# Altium PCB F103RCT6.PcbDoc
Units mil, origin at the board's own origin, x right, y up, seen from the top; angles counter-clockwise.
Board outline 3933.01 x 3933.01 mil, 2 copper layers (Top Layer, Bottom Layer); 129 components, 102 nets, 425 pads, 158 vias.
Unrouted connection lines stored in the file: 70.
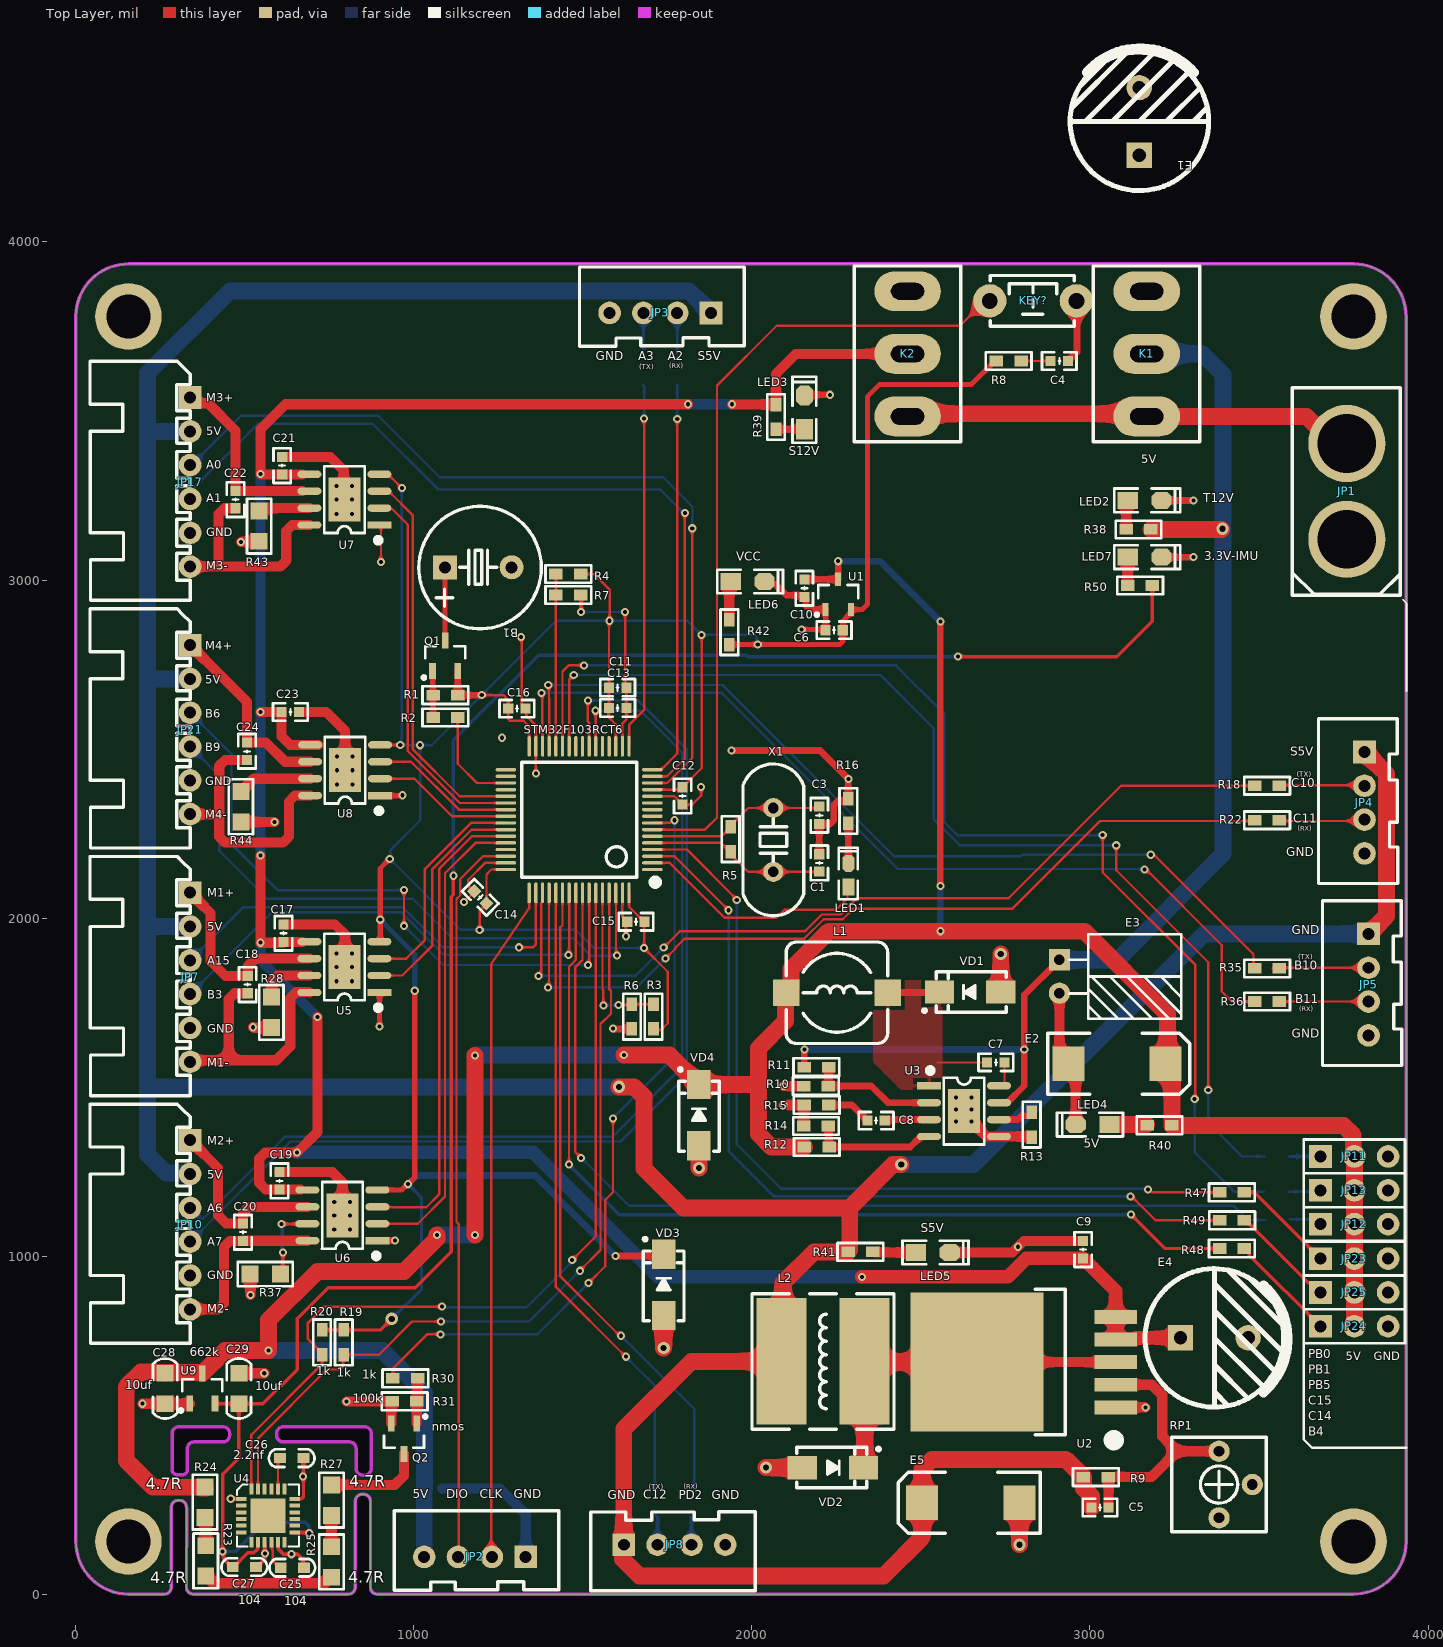
[diagram p0: Top Layer view]
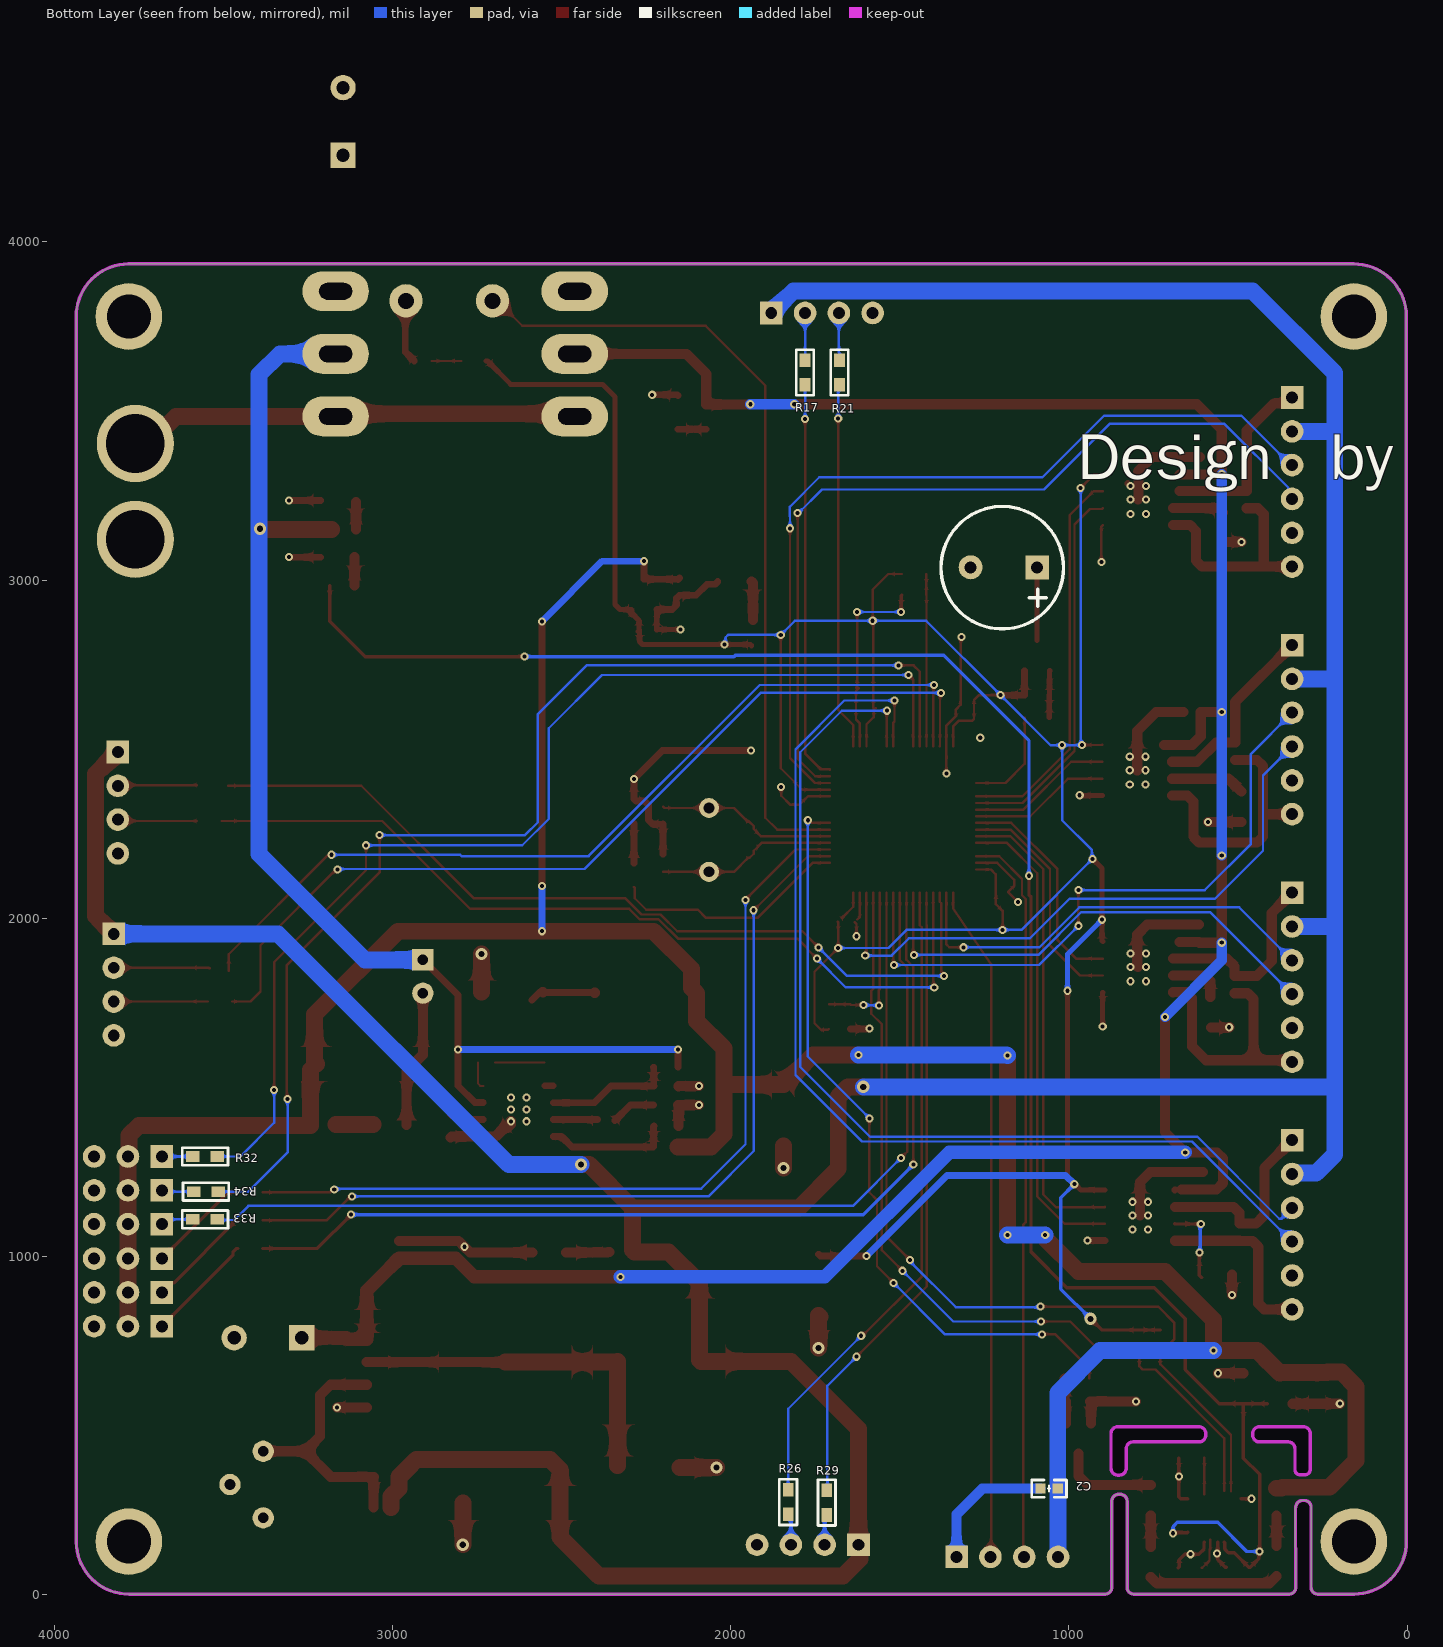
[diagram p1: Bottom Layer view, seen from below]

## Layer stack, top to bottom
Top Solder: solder mask 0.4, Solder Resist, Dk 3.5
Top Layer: signal copper 1.4
Dielectric 1: dielectric 12.6, FR-4, Dk 4.8
Bottom Layer: signal copper 1.4
Bottom Solder: solder mask 0.4, Solder Resist, Dk 3.5

## Board outline
156,2 264.01,2 ccw(c264.01,22) 284.01,22 284,258 284,259 cw(c304,259) 304,279 309,279 cw(c309,259) 329,259 330,258 329,22 ccw(c349,22) 349,2 808,2 ccw(c808,22) 828,22 827.99,277 cw(c847.99,277) 847.99,297 852.99,297 cw(c852.99,277) 872.99,277 872.99,22 ccw(c892.99,22) 892.99,2 3778.98,1.99 ccw(c3779.53,157.48) 3935.01,156 3935.01,3778.97 ccw(c3779.52,3779.53) 3781.01,3935.01 158.03,3935.01 ccw(c157.48,3779.52) 2,3781.01 2,158.03 ccw(c157.49,157.48)
cut-out: 302.07,355 cw(c302.07,370.5) 286.57,370.5 286.5,477 cw(c306.5,477) 306.5,497 436.5,497 cw(c436.5,477) 456.5,477 456.5,472 cw(c436.5,472) 436.5,452 351.5,452 ccw(c351.5,432) 331.5,432 331.5,369.42 cw(c317.08,369.42) 317.08,355
cut-out: 615.49,452 cw(c615.49,472) 595.49,472 595.49,477 cw(c615.49,477) 615.49,497 855.49,497 cw(c855.49,477) 875.49,477 875.49,374 cw(c855.49,374) 855.49,354 850.49,354 cw(c850.49,374) 830.49,374 830.49,432 ccw(c810.49,432) 810.49,452

## Design rules (kind name [scope] priority, off if disabled: settings)
Clearance [All] p1: gap=7 ignorepadtopadclearanceinfootprint=TRUE except(0: Arc-Hole Track-Hole SMDPad-Hole THPad-Hole Via-Hole Fill-Hole Poly-Hole Region-Hole Text-Hole)
ComponentClearance [All] p1: gap=0 collisioncheckmode=3 verticalgap=0 showdistances=FALSE
HoleSize [All] p1: absolutevalues=TRUE maxlimit=200 minlimit=1 maxpercent=80.000 minpercent=20.000
MinimumSolderMaskSliver [All] p1: minsoldermaskwidth=0
PolygonConnect [All] p1: connectstyle=Relief reliefconductorwidth=10 reliefentries=4 polygonreliefangle="90 Angle" airgapwidth=10
RoutingVias [All] p1: holewidth=12 width=24 viastyle="Through Hole" minholewidth=10 minwidth=20 maxholewidth=36 maxwidth=72
SilkToSilkClearance [All] p1: silktosilkclearance=0
SilkToSolderMaskClearance [IsPad] p1: minsilkscreentomaskgap=0 clearancetoexposedcopper=TRUE
SolderMaskExpansion [All] p1: expansion=4 istentingtop=FALSE
UnRoutedNet [All] p1: checkbadconnections=TRUE
Width [All] p1: maxlimit=50 minlimit=6 preferedwidth=10
24 further rules are at their usual default settings.

## Components (designator, comment, footprint, x,y, rotation, side; value= is the part's Value field where it differs from the comment)
B1 "DC3.3V" "BEEP 5x9x5.5" 1192,3038 r270 top
C1 "22" "C 0603_L" 2200,2164 r90 top
C2 "104" "C 0603_L" 1058.41,314 r0 bottom
C3 "22" "C 0603_L" 2200,2304.82 r270 top
C4 "104" "C 0603_L" 2909.59,3648 r0 top
C5 "33nF" "C 0603_L" 3030,258 r180 top
C6 "105" "C 0603_L" 2244,2852 r0 top
C7 "104" "C 0603_L" 2722,1574 r0 top
C8 "150pF" "C 0603_L" 2368,1402 r0 top
C9 "1uF" "C 0603_L" 2980,1020.41 r270 top
C10 "105" "C 0603_L" 2156,2976 r90 top
C11 "104" "C 0603_L" 1604,2682 r0 top
C12 "104" "C 0603_L" 1796,2362 r270 top
C13 "104" "C 0603_L" 1604,2622 r0 top
C14 "104" "C 0603_L" 1197.9,2062.1 r135 top
C15 "104" "C 0603_L" 1658,1990 r180 top
C16 "104" "C 0603_L" 1306,2620 r0 top
C17 "104" "C 0603_L" 616,1956 r270 top
C18 "104" "C 0603_L" 510,1804 r90 top
C19 "104" "C 0603_L" 604,1224 r270 top
C20 "104" "C 0603_L" 496,1072 r90 top
C21 "104" "C 0603_L" 612,3338.41 r270 top
C22 "104" "C 0603_L" 474,3238 r90 top
C23 "104" "C 0603_L" 636,2610 r180 top
C24 "104" "C 0603_L" 508,2494 r90 top
C25 "104" "C 0603" 642,80 r180 top
C26 "2.2nF" "C 0603" 640,404 r180 top
C27 "104" "C 0603" 500,82 r180 top
C28 "10uF" "C 0805" 266,610 r90 top
C29 "10uF" "C 0805" 484,610 r270 top
E1 "3000uf" "CAP 5.0*10*20" 3146,4356 r90 top
E2 "220uF" "CD D(7343)" 3080,1570 r180 top
E3 "10UF/16V" "CAP 2.5*6.3*7-H" 2910,1828 r270 top
E4 "470uF25V" "CAP 5.0*10*20" 3368,760 r0 top
E5 "220uF" "CD D(7343)" 2648,272 r0 top
JP1 "HDR-1X2" XT60 3760,3120.54 r90 top
JP2 "HDR-1X4" XH2.54-LI-4P 1182,112 r180 top
JP3 "HDR-1X4" XH2.54-4P 1880,3790 r180 top
JP4 "HDR-1X4" XH2.54-4P 3812,2492 r270 top
JP5 "HDR-1X4" XH2.54-4P 3824,1954 r270 top
JP7 "HDR-1X6" XH2.54-6P_H 340,2076 r270 top
JP8 "HDR-1X4" XH2.54-4P 1622,148 r0 top
JP10 "HDR-1X6" XH2.54-6P_H 340,1344 r270 top
JP11 "HDR-1X3" HDR-1X3 3682,1296 r0 top
JP12 "HDR-1X3" HDR-1X3 3682,1096 r0 top
JP13 "HDR-1X3" HDR-1X3 3682,1196 r0 top
JP17 "HDR-1X6" XH2.54-6P_H 340,3540 r270 top
JP21 "HDR-1X6" XH2.54-6P_H 340,2808 r270 top
JP23 "HDR-1X3" HDR-1X3 3682,994 r0 top
JP24 "HDR-1X3" HDR-1X3 3682,794 r0 top
JP25 "HDR-1X3" HDR-1X3 3682,894 r0 top
K1 "开关" 开关 3173,3669 r90 top
K2 "开关" 开关 2466,3669 r90 top
KEY? "KEY_M" "TSW DIP-3*6*4.3" 2832,3826 r0 top
L1 "33uH" CDRH74 2252,1780 r0 top
L2 "15uH" CD104 2211.03,690 r180 top
LED1 "红色" "LED 0603B" 2286.26,2127.81 r90 top
LED2 "黄色" "LED 0805R" 3162,3236 r0 top
LED3 "黄色" "LED 0805R" 2156,3496 r90 top
LED4 "黄色" "LED 0805R" 3008,1390 r180 top
LED5 "黄色" "LED 0805R" 2536,1012 r0 top
LED6 "黄色" "LED 0805R" 1988,2996 r0 top
LED7 "黄色" "LED 0805R" 3162,3068 r0 top
Q1 "SS8550" SOT23-3N 1094,2777 r0 top
Q2 "SI2302" SOT23-3N 972,462 r180 top
R1 "4.7K" "R 0603" 1094.5,2660 r0 top
R2 "1K" "R 0603" 1094.5,2594 r180 top
R3 "100K" "R 0603" 1710,1709.5 r270 top
R4 "100K" "R 0603" 1458,3018 r0 top
R5 "1M" "R 0603" 1938,2234 r270 top
R6 "1K" "R 0603" 1646,1709.5 r90 top
R7 "1K" "R 0603" 1458,2956 r180 top
R8 "10K" "R 0603" 2760,3648 r180 top
R9 "10K" "R 0603" 3017.5,348 r180 top
R10 "100K" "R 0603" 2190,1504 r180 top
R11 "100K" "R 0603" 2191.5,1560 r0 top
R12 "43.2K" "R 0603" 2192.5,1324 r180 top
R13 "100K" "R 0603" 2828,1390 r90 top
R14 "8.2K" "R 0603" 2190.5,1386 r0 top
R15 "100K" "R 0603" 2192,1448 r0 top
R16 "2.2K" "R 0603" 2286,2317.32 r270 top
R17 "470R" "R 0603" 1780,3614 r90 bottom
R18 "470R" "R 0603" 3524,2392 r0 top
R19 "1k" "R 0603" 794,746.5 r270 top
R20 "1K" "R 0603" 730,746.5 r270 top
R21 "470R" "R 0603" 1678,3614 r90 bottom
R22 "470R" "R 0603" 3524,2290 r0 top
R23 "4.7R" "R 0805" 386,100 r90 top
R24 "4.7R" "R 0805" 384,274 r90 top
R25 "4.7R" "R 0805" 758,97 r90 top
R26 "470R" "R 0603" 1716,272.5 r270 bottom
R27 "4.7R" "R 0805" 758,280 r90 top
R28 "0.15R" "R 0805" 580,1722 r90 top
R29 "470R" "R 0603" 1830,274 r270 bottom
R30 "1K" "R 0603" 976,640 r0 top
R31 "100K" "R 0603" 974,572 r0 top
R32 "470R" "R 0603" 3554,1296 r0 bottom
R33 "470R" "R 0603" 3554,1110 r0 bottom
R34 "470R" "R 0603" 3551.5,1192 r0 bottom
R35 "470R" "R 0603" 3524,1852 r0 top
R36 "470R" "R 0603" 3524,1754 r0 top
R37 "0.15R" "R 0805" 562,948 r0 top
R38 "10K" "R 0603" 3144,3150 r0 top
R39 "10K" "R 0603" 2072,3482.5 r90 top
R40 "4.7K" "R 0603" 3206,1388 r0 top
R41 "4.7K" "R 0603" 2321.5,1014 r180 top
R42 "4.7K" "R 0603" 1934,2846 r270 top
R43 "0.15R" "R 0805" 544,3160 r90 top
R44 "0.15R" "R 0805" 490,2330 r90 top
R47 "470R" "R 0603" 3420,1190 r0 top
R48 "470R" "R 0603" 3420,1024 r0 top
R49 "470R" "R 0603" 3420.5,1107 r0 top
R50 "4.7K" "R 0603" 3148.5,2984 r0 top
RP1 "10K" 3362P 3382,326 r270 top
STM32F103RCT6 "STM32F103rct6" "LQFP64 10x10_L" 1490,2292 r90 top
U1 "662K" SOT23-3L 2256,2958 r0 top
U2 "XL4005" TO263-5A 3076,688 r90 top
U3 "MP1584EN" "SOP8_N - duplicate" 2628,1430 r0 top
U4 "MPU6050" QFN24 570,234 r0 top
U5 "TB67H450" "SOP8_N - duplicate" 796,1856 r180 top
U6 "TB67H450" "SOP8_N - duplicate" 790,1122 r180 top
U7 "TB67H450" "SOP8_N - duplicate" 796,3238 r180 top
U8 "TB67H450" "SOP8_N - duplicate" 798,2438 r180 top
U9 "662K" SOT23-3N 376,610 r0 top
VD1 "SS34" SMA 2646,1782 r180 top
VD2 "SS54" SMA 2240,376 r0 top
VD3 "SMBJ3.3" SMA 1740,916.55 r90 top
VD4 "SMBJ5.0" SMA 1844,1418 r90 top
X1 "8M" "XTAL-49S DIP" 2064,2232 r270 top

## Footprints (in the part's own frame and the unit in brackets; to place one, negate y for a bottom-side part, rotate by r counter-clockwise, add the part's x,y. Pads: shape width x height; smd on the part's side, far side on the other; paste and mask are expansions set on the pad)
3362P [mm]
  round 1.6 hole 0.8: 1(-2.5,0) 2(0,2.5) 3(2.5,0)
  silkscreen extent -3.56,-3.56 3.56,3.56, body extent -3.3,-3.3 3.3,3.3, height 4.74
"BEEP 5x9x5.5" [mm] "5*9*5.5mm(脚距,直径,高度)"
  rect 1.8x1.8 hole 0.9: 1(0,-2.5)
  round 1.8 hole 0.9: 2(0,2.5)
  silkscreen extent -4.57,-4.47 4.62,4.73, body extent -4.5,-4.5 4.5,4.5, height 5.45
"C 0603" [mil] "无极性贴片电容"
  rect 35x30 smd: 1(-35,0) 2(34,0)
  silkscreen extent -67,-26 67,26, body extent -31,-16 31,16, height 32
"C 0603_L" [mil] "无极性贴片电容"
  rect 30x30 smd: 1(-25.59,0) 2(25.59,0)
  silkscreen extent -51,-26 51,26, body extent -31,-16 31,16, height 32
"C 0805" [mil] "无极性贴片电容"
  rect 50x50 smd: 1(-45,0) 2(45,0)
  silkscreen extent -89,-36 89,36, body extent -39,-24 39,24, height 20
"CAP 2.5*6.3*7-H" [mm] "脚距2.5mm直径6.3mm高度7mm"
  rect 1.6x1.6 hole 0.8: 1(-1.25,0)
  round 1.6 hole 0.8: 2(1.25,0)
  silkscreen extent -3.18,0.76 3.17,9.14, body extent -3.15,-0.3 3.16,8.91, height 6.32
"CAP 5.0*10*20" [mm] "脚距5mm直径10mm高度20mm"
  rect 1.9x1.9 hole 1: 1(-2.54,0)
  round 1.9 hole 1: 2(2.54,0)
  silkscreen extent -5.19,-5.21 5.5,5.19, body extent -5,-5 5.01,5, height 20.03
CD104 [mm] "10*9*4mm（长宽高）"
  rect 3.75x9.5 smd: 1(-3.125,0) 2(3.125,0)
  silkscreen extent -5.33,-5.08 5.33,5.08, body extent -4.95,-4.5 4.95,4.5, height 4.7
"CD D(7343)" [mm] "长7.3mm，宽4.3mm，厚2.8mm"
  rect 2.4x2.6 smd: 1(-3.65,0) 2(3.65,0)
  silkscreen extent -5.46,-2.29 5.21,2.29, body extent -3.65,-2.15 3.65,2.15, height 2.8
CDRH74 [mm] "7.3*7.3*4.5mm（长宽高）"
  rect 2x2 smd: 1(-3.81,0) 2(3.81,0)
  silkscreen extent -3.81,-3.81 3.81,3.81, body extent -3.65,-3.65 3.65,3.65, height 4.5
HDR-1X3 [mm] "排针，3脚"
  rect 1.7x1.7 hole 0.9: 1(0,0)
  round 1.7 hole 0.9: 2(2.54,0) 3(5.08,0)
  silkscreen extent -1.27,-1.27 6.35,1.27, body extent -1.27,-1.27 6.35,1.27, height 8.5
"LED 0603B" [mil] "蓝色0603LED"
  rect 50x35 smd: 1(-35,0.26)
  oct 50x35 smd: 2(35,0.26)
  silkscreen extent -71,-28 81,28, body extent -31,-16 32,16, height 24
"LED 0805R" [mil] "红色0805LED"
  rect 60x50 smd: 1(-50,0)
  oct 60x50 smd: 2(50,0)
  silkscreen extent -90,-35 105,35, body extent -39,-25 39,25, height 32
"LQFP64 10x10_L" [mm] "64脚，体宽10x10mm，脚距0.5mm"
  oval 0.25x1.55 smd: 1(-3.75,-5.5) 2(-3.25,-5.5) 3(-2.75,-5.5) 4(-2.25,-5.5) 5(-1.75,-5.5) 6(-1.25,-5.5) 7(-0.75,-5.5) 8(-0.25,-5.5) 9(0.25,-5.5) 10(0.75,-5.5) 11(1.25,-5.5) 12(1.75,-5.5) 13(2.25,-5.5) 14(2.75,-5.5) 15(3.25,-5.5) 16(3.75,-5.5) 33(3.75,5.5) 34(3.25,5.5) 35(2.75,5.5) 36(2.25,5.5) 37(1.75,5.5) 38(1.25,5.5) 39(0.75,5.5) 40(0.25,5.5) 41(-0.25,5.5) 42(-0.75,5.5) 43(-1.25,5.5) 44(-1.75,5.5) 45(-2.25,5.5) 46(-2.75,5.5) 47(-3.25,5.5) 48(-3.75,5.5)
  oval 1.55x0.25 smd: 17(5.5,-3.75) 18(5.5,-3.25) 19(5.5,-2.75) 20(5.5,-2.25) 21(5.5,-1.75) 22(5.5,-1.25) 23(5.5,-0.75) 24(5.5,-0.25) 25(5.5,0.25) 26(5.5,0.75) 27(5.5,1.25) 28(5.5,1.75) 29(5.5,2.25) 30(5.5,2.75) 31(5.5,3.25) 32(5.5,3.75) 49(-5.499,3.75) 50(-5.499,3.25) 51(-5.499,2.75) 52(-5.499,2.25) 53(-5.499,1.75) 54(-5.499,1.25) 55(-5.499,0.75) 56(-5.499,0.25) 57(-5.499,-0.25) 58(-5.499,-0.75) 59(-5.499,-1.25) 60(-5.499,-1.75) 61(-5.499,-2.25) 62(-5.499,-2.75) 63(-5.499,-3.25) 64(-5.499,-3.75)
  silkscreen extent -4.95,-5.96 4.32,4.32, body extent -6,-6 6,6, height 1.45
QFN24 [mm]
  rect 0.8x0.3 smd: 1(-2,1.25) 2(-2,0.75) 3(-2,0.25) 4(-2,-0.25) 5(-2,-0.75) 6(-2,-1.25) 13(2,-1.25) 14(2,-0.75) 15(2,-0.25) 16(2,0.25) 17(2,0.75) 18(2,1.25)
  rect 0.3x0.8 smd: 7(-1.25,-2) 8(-0.75,-2) 9(-0.25,-2) 10(0.25,-2) 11(0.75,-2) 12(1.25,-2) 19(1.25,2) 20(0.75,2) 21(0.25,2) 22(-0.25,2) 23(-0.75,2) 24(-1.25,2)
  rect 2.6x2.6 smd: 25(0.005,0)
  silkscreen extent -2.32,-2.32 2.32,2.32, body extent -2,-2 2.01,2, height 0.9
"R 0603" [mil] "1/10W贴片电阻"
  rect 40x31.5 smd: 1(-36.5,0) 2(36.5,0)
  silkscreen extent -68,-26 68,26, body extent -31,-16 32,16, height 16
"R 0805" [mil] "1/8W贴片电阻"
  rect 50x50 smd: 1(-45,0) 2(45,0)
  silkscreen extent -81,-36 81,36, body extent -39,-25 39,25, height 20
SMA [mm] "4.5x2.6*2.2mm（长宽高，不包括引脚）"
  rect 2.2x1.75 smd: 1(-2.3,0) 2(2.3,0)
  silkscreen extent -2.7,-1.52 3.56,1.52, body extent -2.53,-1.3 2.58,1.3, height 2.15
"SOP8_N - duplicate" [mm]
  rect 1.8x0.55 smd: 1(-2.625,1.905)
  oval 1.8x0.55 smd: 2(-2.625,0.635) 3(-2.625,-0.635) 4(-2.625,-1.905) 5(2.625,-1.905) 6(2.625,-0.635) 7(2.625,0.635) 8(2.625,1.905)
  rect 2.413x3.302 smd: 9(0,0)
  silkscreen extent -2.69,-2.5 1.52,3.2, body extent -3,-2.5 3,2.5, height 1.9
SOT23-3L [mm] "3x1.3x1mm(长宽高)"
  rect 0.45x1 smd: 1(-0.95,-1.143) 2(0.95,-1.143) 3(0,1.125)
  silkscreen extent -1.72,-1.65 1.5,0.7, body extent -1.5,-1.2 1.5,1.2, height 1.05
SOT23-3N [mm] "3x1.3x1mm(长宽高)"
  rect 0.5x1.2 smd: 1(-0.95,-1.143) 2(0.95,-1.143) 3(0,1.143)
  silkscreen extent -1.72,-1.78 1.5,0.7, body extent -1.5,-1.2 1.5,1.2, height 1.05
TO263-5A [mm] "263，5脚晶体管"
  rect 1.05x3.2 smd: 1(-3.4,0) 2(-1.7,0) 3(0,0) 4(1.7,0) 5(3.4,0)
  rect 10.45x10 smd: 3(0,10.414)
  silkscreen extent -6.24,-0.25 5.46,6.04, body extent -5,-0.01 5,13.32, height 4.5
"TSW DIP-3*6*4.3" [mm] "3*6*4.3mm"
  round 2.5 hole 1.2: 1(3.25,0) 2(-3.25,0)
  silkscreen extent -3.21,-1.9 3.09,1.9, body extent -3.91,-1.75 3.91,1.75, height 4.31
XH2.54-4P [mm] "接插件，4P"
  rect 1.7x1.7 hole 0.9: 1(0,0)
  round 1.7 hole 0.9: 2(2.54,0) 3(5.08,0) 4(7.62,0)
  silkscreen extent -2.49,-3.45 9.88,2.49, body extent -2.5,-3.3 10.12,2.4, height 7.03
XH2.54-6P_H [mm] "接插件，6P"
  rect 1.7x1.7 hole 0.9: 1(0,0)
  round 1.7 hole 0.9: 2(2.54,0) 3(5.08,0) 4(7.62,0) 5(10.16,0) 6(12.7,0)
  silkscreen extent -2.72,-7.53 15.24,0, body extent -2.5,-7.35 15.2,0.35, height 5.75
XH2.54-LI-4P [mm] "接插件，4P"
  rect 1.7x1.7 hole 0.9: 1(-3.81,0)
  round 1.7 hole 0.9: 2(-1.27,0) 3(1.27,0) 4(3.81,0)
  silkscreen extent -6.3,-3.45 6.07,2.49, body extent -6.31,-3.3 6.31,2.4, height 7.03
XT60 [mm]
  round 5.8 hole 4.4: 1(7.2,0) 2(0,0)
  silkscreen extent -4.2,-4 11.4,4.1
"XTAL-49S DIP" [mm]
  round 1.5 hole 0.8: 1(-2.4,0) 2(2.4,0)
  silkscreen extent -5.7,-2.28 5.7,2.28, body extent -5.68,-2.35 5.68,2.3, height 3.5
开关 [mm]
  oval 3x5 hole 1.25 slot 2.5 at 90 deg: 1(-4.699,0.127) 2(0.001,0.127) 3(4.701,0.127)
  silkscreen extent -6.6,-3.87 6.6,4.13

## Part data
B1: library part BEEP, "蜂鸣器", BOM名称=蜂鸣器, 学习资源=www.ooocke.com, 版权归属=源创客
C1 C2 C3 C4 C6 C10 C11 C12 C13 C14 C15 C16: library part C
C5 C7 C8 C9 C17 C18 C19 C20 C21 C22 C23 C24 C25 C26 C27 C28 C29: library part C, "无极性贴片电容", BOM名称=无极性贴片电容, 学习资源=www.ooocke.com, 版权归属=源创客
E1 E3 E4: library part C-CAP, "直插电解电容", BOM名称=直插电解电容, 学习资源=www.ooocke.com, 版权归属=源创客
E2 E5: library part C-CD, "贴片钽电容", BOM名称=贴片钽电容, 学习资源=www.ooocke.com, 版权归属=源创客
JP1: library part "Header 2", "2P接插件", BOM名称=2P接插件, 学习资源=www.ooocke.com, 版权归属=源创客
JP2 JP3 JP4 JP5 JP8: library part "Header 4", "4P接插件", BOM名称=4P接插件, 学习资源=www.ooocke.com, 版权归属=源创客
JP7 JP10 JP17 JP21: library part "Header 6", "6P接插件", BOM名称=6P接插件, 学习资源=www.ooocke.com, 版权归属=源创客
JP11 JP12 JP13 JP23 JP24 JP25: library part "Header 3", "3P接插件", BOM名称=3P接插件, 学习资源=www.ooocke.com, 版权归属=源创客
L1: library part L-CDRH, "功率屏蔽电感", BOM名称=功率屏蔽电感, 学习资源=www.ooocke.com, 版权归属=源创客
L2: library part L-CD, "贴片功率电感", BOM名称=功率电感, 学习资源=www.ooocke.com, 版权归属=源创客
LED1 LED2 LED3 LED4 LED5 LED6 LED7: library part LED-SMD, "贴片LED", BOM名称=贴片LED, 学习资源=www.ooocke.com, 版权归属=源创客
Q1: library part 8550-SMD, "高频放大-PNP型", BOM名称=高频放大-PNP型, 学习资源=www.ooocke.com, 属性="40V 1.5A 1W 100MHZ", 版权归属=源创客
Q2: "N沟道场效应管", BOM名称=N沟道场效应管, 学习资源=www.ooocke.com, 版权归属=源创客
R1 R2 R3 R4 R5 R6 R7 R8: library part R
R9 R10 R11 R12 R13 R14 R15 R16 R17 R18 R19 R20 R21 R22 R23 R24 R25 R26 R27 R28 R29 R30 R31 R32 R33 R34 R35 R36 R37 R38 R39 R40 R41 R42 R43 R44 R47 R48 R49 R50: library part R, "贴片电阻", BOM名称=贴片电阻, 学习资源=www.ooocke.com, 版权归属=源创客
RP1: library part RP-ID, "插件单联电位器", BOM名称=插件电位器, 学习资源=www.ooocke.com, 版权归属=源创客
STM32F103RCT6: "FLash：256K   RAM:48K   IO:64"
U2: library part xl4005
U3: "电源芯片"
U4: "9轴运动处理传感器"
U5 U6 U7 U8: "电机驱动芯片"
U9: "LDO"
VD1 VD2 VD3 VD4: library part SS14, "肖特基二极管", BOM名称=肖特基二极管, 学习资源=www.ooocke.com, 属性=40V/1A, 版权归属=源创客
X1: library part XTAL-4, "4脚晶振", BOM名称=4脚晶振, 学习资源=www.ooocke.com, 版权归属=源创客

## Free pads (board coordinates)
  round 196.85 hole 129.92: ""(157.48,157.48) ""(157.48,3779.53) ""(3779.53,157.48) ""(3779.53,3779.53)

## Via types
v1: diameter 24, hole 12, Top Layer to Bottom Layer, tented both sides, 149 vias
v2: diameter 36, hole 18, Top Layer to Bottom Layer, tented both sides, 9 vias

## Nets (pads, with @x,y where several pads share a name; then routed paths per layer and width w, separated by ;. In a path a pad name is that pad's centre, name@x,y a point inside that pad or via, vN(x,y) a via of type N, cw(c..) or ccw(c..) an arc to the next point about the centre after c; other vN are vias at no path point)
3.3V_IMU: C27.2 C29.2 R50.2 U4.8 U4.13 U9.2 | length 5802.2
  Top Layer w10: U9.2 C29.2 ; U4.8 539.57,154.35 539.57,135.42 528.15,124 510.5,124 468.5,82 463.5,82 438.68,106.82 438.68,125.32 v1(436,128) 436,356 484,404 C29.2 ; U4.13 649.65,183.88 690.12,183.88 v1(692,182) ; v1(1118,2126) 1118,2069.74 1112,2063.74 1112,1014 1006,908 748,908 656,816 656,666 555,565 C29.2 ; v1(2610,2774) 3080,2774 3185,2879 R50.2
  Bottom Layer w10: v1(436,128) 474,128 560,214 680,214 692,202 v1(692,182) ; v1(1118,2126) 1118,2526 1370,2778 1986.11,2778 1990.11,2774 v1(2610,2774)
5V: C2.1 C10.2 C28.2 E2.1 JP2.4 JP11.2 JP12.2 JP13.2 JP23.2 JP24.2 JP25.2 L1.1 R12.2 R24.2 R40.2 U1.3 U9.3 VD4.2 | length 8990.1
  Top Layer w20: C10.2@2151.59,3006 C10.2 2156.71,3002.29 U1.3 v1(2256,3056) ; v1(2558,2096) v1(2558,2878)
  Top Layer w50: C28.2 264,657 237.29,657 235.86,658.43 194.43,658.43 151,615 151,397 230,318 368.36,318 371.36,315 R24.2@386,315 ; C28.2@266,657 U9.3@375.4,657 ; U9.3 443,722 v1(572,722) 572,812 716,956 972,956 1070,1054 v1(1070,1064) ; v1(1182,1064) v1(1182,1594) ; v1(1622,1596) 1756.55,1596 1825.69,1526.86 1834.55,1526.86 1844,1517.41 VD4.2 2018.55,1508.55 2020,1510 ; R12.2 2058,1324 2020,1362 2020,1510 ; E2.1 3230,1576.3 3230,1716 2984,1962 v1(2558,1962) 2228,1962 2116.37,1850.37 2116.37,1794.37 2100.6,1778.6 2100.6,1696.6 2020,1616 2020,1510 ; E2.1@3242.5,1551.2 R40.2 3749.47,1388 3778.76,1358.71 3778.76,1299.24 JP11.2 JP13.2 JP12.2 JP23.2 JP25.2 JP24.2
  Bottom Layer w20: v1(2256,3056) 2380,3056 v1(2558,2878) ; v1(2558,1962) v1(2558,2096)
  Bottom Layer w50: v1(572,722) 908,722 1032.82,597.18 C2.1 ; JP2.4 C2.1@1032,310.82 ; v1(1070,1064) v1(1182,1064) ; v1(1182,1594) 1184,1596 v1(1622,1596)
12V: E1.1 JP1.1 K1.1 K2.1 | length 1351
  Top Layer w50: K2.1@2461,3483 2470,3492 3160,3492 K1.1 3640,3484 JP1.1@3722.5,3401.5 ; JP1.1@3760,3355.74 JP1.1
BOOT0: R3.1 R6.2 STM32F103RCT6.60 | length 482.6
  Top Layer w7: STM32F103RCT6.60 1558.9,1790.47 1561.72,1787.66 v1(1561.72,1742) ; v1(1606.72,1744) 1644,1744 R6.2 R3.1@1708,1746
  Bottom Layer w7: v1(1561.72,1742) 1562.72,1743 1605.72,1743 v1(1606.72,1744)
FB: R12.1 R14.2 U3.4 | length 371.3
  Top Layer w20: R14.2 2228,1385 2228,1325 R12.1 2469.05,1324 2500.05,1355 U3.4
GND: B1.2 C1.2 C2.2 C3.2 C4.2 C6.1 C9.1 C10.1 C11.2 C12.2 C13.2 C14.2 C15.2 C16.2 C17.1 C19.1 C21.1 C23.1 C25.1 C26.1 C27.1 C28.1 C29.1 E1.2 E2.2 E3.2 E4.2 E5.2 JP1.2 JP2.1 JP3.4 JP4.4 JP5.4 JP7.5 JP8.4 JP10.5 JP11.3 JP12.3 JP13.3 JP17.5 JP21.5 JP23.3 JP24.3 JP25.3 KEY?.1 LED2.2 LED3.2 LED4.2 LED5.2 LED6.2 LED7.2 Q2.2 R6.1 R7.1 R10.2 R13.1 R14.1 R15.1 R16.1 R28.1 R31.1 R37.1 R43.1 R44.1 RP1.2 RP1.3 STM32F103RCT6.12 STM32F103RCT6.18 STM32F103RCT6.31 STM32F103RCT6.47 STM32F103RCT6.63 U1.1 U2.1 U3.5 U3.9 U4.1 U4.9 U4.11 U4.18 U5.1 U5.9 U6.1 U6.9 U7.1 U7.9 U8.1 U8.9 U9.1 VD1.1 VD2.1 VD3.1 VD4.1 | length 7871.2